# KiCad board main-board-rev1.kicad_pcb (continued)
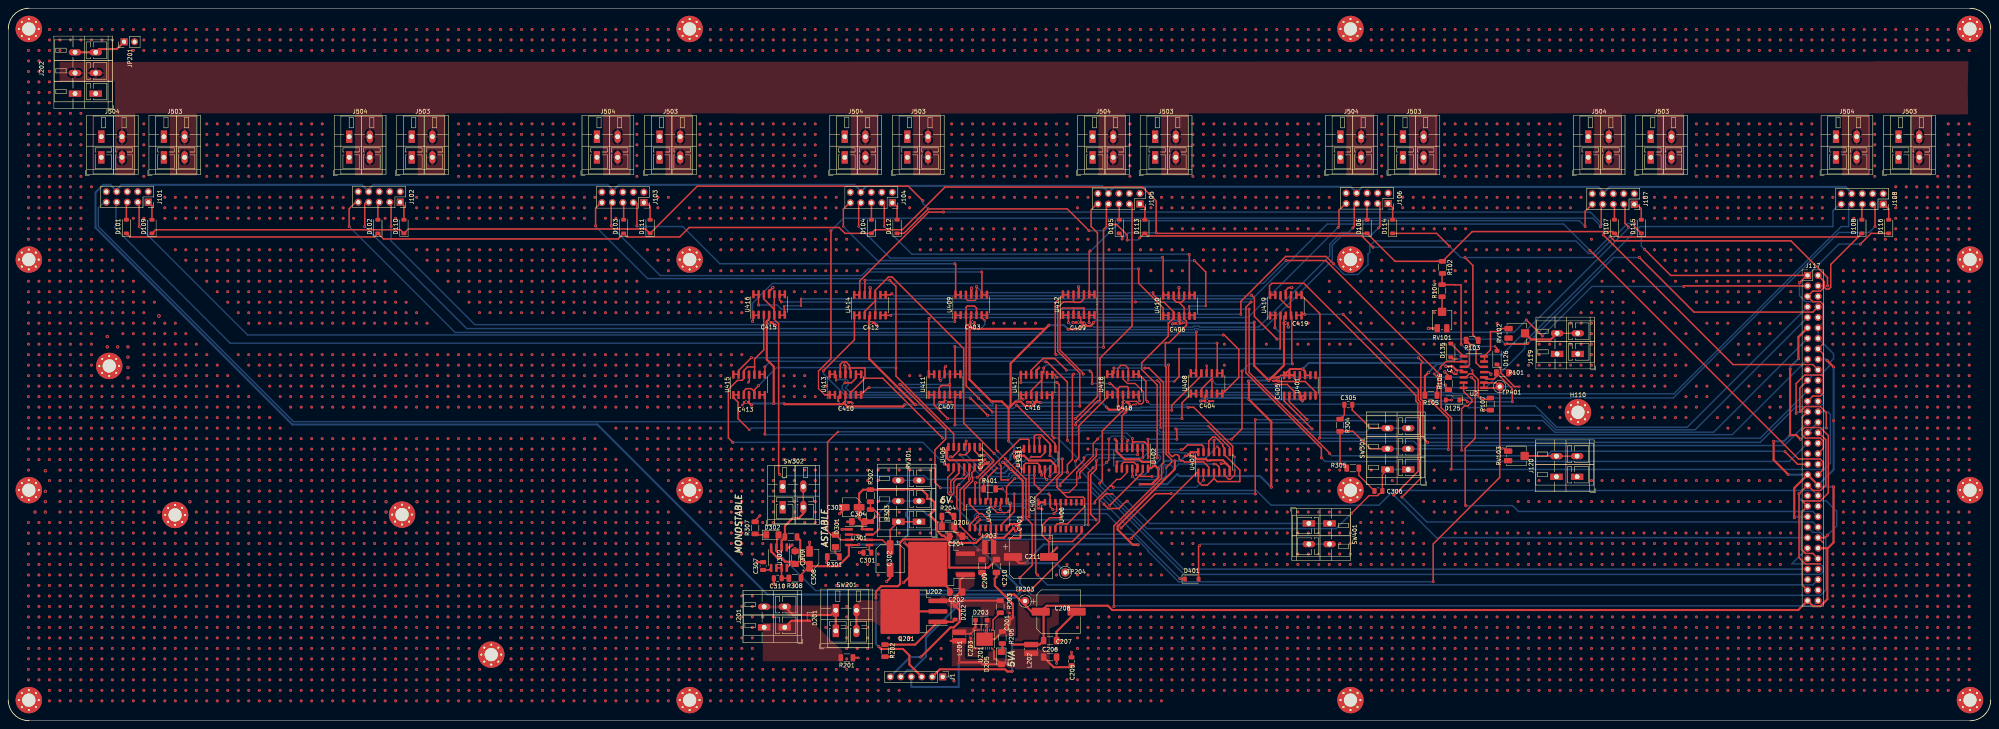
[diagram p0: board, top side]
## Routing (per net, layer and track width the routed paths; a pad name or vN(x,y) marks a point on that pad's centre or on a via; arc(x,y) is an arc through that point) (continued)
*CV_8: length 273.7
  Top w0.349: 206.15,98.18 204.88,98.18 204.88,92.25 v4(197.36,84.73) ; v4(237.14,73.95) 232.99,78.11 v4(232.94,78.11)
  Bottom w0.349: v4(232.94,78.11) 232.94,78.15 232.81,78.28 203.12,78.28 197.36,84.04 v4(197.36,84.73) ; J117.9 408.45,70.46 374.67,70.46 371.17,73.95 v4(237.14,73.95)
*CV_9: length 260.9
  Top w0.349: v4(386.19,117.65) 417.61,86.23 436.93,86.23 J117.20 ; v4(226.44,123.15) 222.84,123.15 206.15,106.46 206.15,103.13 204.88,103.13
  Bottom w0.349: v4(226.44,123.15) 383.04,123.15 386.3,119.9 386.3,117.76 v4(386.19,117.65)
*CV_10: length 275.6
  Top w0.349: 181.98,83.88 183.25,83.88 183.19,83.94 v4(183.19,85.65) ; v4(256.44,67.9) 256.44,81.98 251.51,86.9 v4(251.19,86.9)
  Bottom w0.349: v4(256.44,67.9) 257.21,67.13 317.26,67.13 317.78,67.65 340.34,67.65 341.37,66.63 430.02,66.63 J117.29 ; v4(251.19,86.9) 251.06,87.03 184.56,87.03 v4(183.19,85.65)
*CV_11: length 291.8
  Top w0.349: v4(382.94,113.9) 433.47,63.37 438.73,63.37 439.47,62.63 439.47,60.84 J117.40 ; v3(187.89,100.38) 187.89,98.29 188,98.18 186.73,98.18 ; v3(191.94,100.45) v3(191.94,102.18)
  Bottom w0.349: v3(187.89,100.38) 187.96,100.45 v3(191.94,100.45) ; v3(191.94,102.18) 301.26,102.18 319.33,120.25 376.59,120.25 v4(382.94,113.9)
*CV_12: length 272.7
  Top w0.349: v4(241.44,63.4) 246.41,58.43 246.41,49.08 247.91,47.58 247.91,37.63 v4(244.94,34.65) ; 246.4,78.93 245.13,78.93 245.13,78.44 v3(245.76,77.8) ; v3(239.16,76.33) 239.16,65.68 v3(239.6,65.24)
  Bottom w0.349: v4(244.94,34.65) 244.94,33.31 247.89,30.35 438.73,30.35 440.07,31.7 440.07,44.25 438.73,45.59 436.93,45.59 J117.49 ; v3(245.76,77.8) 244.48,77.8 243,76.33 v3(239.16,76.33) ; v4(241.44,63.4) v3(239.6,65.24)
*CV_13: length 251.9
  Top w0.349: 246.4,83.88 245.13,83.88 245.19,83.82 v4(245.19,81.9) ; v4(249.24,35.25) 249.24,35.35 248.81,35.78 248.81,39.2 248.7,39.31 248.7,54.17 254.44,59.9 254.44,81.4 v4(253.94,81.9)
  Bottom w0.349: v4(253.94,81.9) v4(245.19,81.9) ; J117.60 436.93,32.89 251.6,32.89 v4(249.24,35.25)
*CV_14: length 183.7
  Top w0.349: 272.48,83.88 273.75,83.88 275.44,82.19 275.44,77.65 v4(275.84,77.25)
  Bottom w0.349: J117.7 406.51,71.06 374.91,71.06 369.77,76.2 357.27,76.2 356.9,75.83 353.81,75.83 353.71,75.72 352.78,76.65 285.37,76.65 285.24,76.52 276.57,76.52 v4(275.84,77.25)
*CV_15: length 169.2
  Top w0.349: v4(313.94,98.4) 313.22,98.4 313,98.18 311.73,98.18 ; v4(337.44,54.15) 341.97,58.68 341.97,68.25 341.91,68.31 341.91,77.15 341.41,77.65 341.41,80.18 v4(323.19,98.4)
  Bottom w0.349: v4(337.44,54.15) 343.46,48.13 436.93,48.13 J117.50 ; v4(323.19,98.4) v4(313.94,98.4)
*GATE_8: length 256.7
  Top w0.349: v4(440.49,105.28) 440.49,107.33 431.62,116.2 388.89,116.2 v4(387.85,117.25) ; 211.94,98.18 212.5,98.18 ; 211.94,98.18 211.23,98.18 ; 211.94,98.18 213.66,98.18 v4(213.69,98.15) ; v4(298.44,98.4) 298.44,101.55 309.29,112.4 319.1,112.4 v4(320.9,110.61)
  Bottom w0.349: v4(320.9,110.61) 323.47,108.04 326.78,108.04 329.21,110.47 329.21,112.97 329.66,113.43 329.66,114.98 330.84,116.15 379.59,116.15 382.62,113.13 383.98,113.13 383.98,113.38 v4(387.85,117.25) ; v4(213.69,98.15) 213.94,98.4 v4(298.44,98.4) ; v4(440.49,105.28) J117.4
*GATE_9: length 280.3
  Top w0.349: 176.69,75.8 176.69,74.63 ; 176.69,74.63 176.69,73.15 v3(179.44,70.4) ; 176.69,74.63 176.69,74.63 176.69,77.15 175.63,78.21 175.63,78.93 176.9,78.93
  Bottom w0.349: v3(179.44,70.4) 179.89,70.86 258.76,70.86 259.42,71.53 278.66,71.53 279.26,72.13 314.76,72.13 315.28,72.65 371.62,72.65 374.42,69.86 412.93,69.86 J117.13
*GATE_10: length 293.2
  Top w0.349: v4(179.94,87.9) 176.9,84.86 176.9,83.88 175.63,83.88 ; v4(343.66,67.4) 342.51,68.55 342.51,77.4 342.01,77.9 342.01,86.31 342.51,86.81 v4(341.44,87.88)
  Bottom w0.349: v4(179.94,87.9) 179.96,87.88 v4(341.44,87.88) ; J117.24 439.47,78.61 439.47,76.82 438.73,76.07 432.86,76.07 424.19,67.4 343.66,67.4 v4(343.66,67.4)
*GATE_11: length 282.7
  Top w0.349: 188,103.13 186.73,103.13 186.73,101.86 v4(187.19,101.4) ; v4(317.94,63.65) 317.94,65.96 299.66,84.24 299.66,100.13 v4(300.94,101.4)
  Bottom w0.349: v4(300.94,101.4) v4(272.94,101.4) v4(187.19,101.4) ; J117.33 431.27,62.79 318.8,62.79 v4(317.94,63.65)
*GATE_12: length 205.8
  Top w0.349: v4(253.19,68.49) 252.75,68.93 252.75,78.93 251.48,78.93
  Bottom w0.349: J117.44 436.93,55.75 335.44,55.75 331.89,52.2 305.73,52.2 302.18,55.76 266.75,55.76 265.02,57.49 265.02,57.81 264.56,58.27 264.24,58.27 254.02,68.49 v4(253.19,68.49)
*GATE_13: length 228.3
  Top w0.349: v4(258.39,62.86) 259.21,63.68 259.21,71.43 266.13,78.34 266.13,78.93 267.4,78.93
  Bottom w0.349: v4(258.39,62.86) 258.39,61.73 284.69,35.43 438.73,35.43 439.47,36.18 439.47,37.23 438.73,37.97 431.85,37.97 J117.53
*GATE_14: length 246.6
  Top w0.349: 266.13,83.88 267.4,83.88 267.69,84.17 v4(267.69,85.38) ; v4(275.19,85.38) 276.2,85.38 279.69,81.89 279.69,62.38 279.24,61.93 279.24,58.7 267.69,47.15 v4(267.69,27.65)
  Bottom w0.349: v4(275.19,85.38) v4(267.69,85.38) ; J117.64 436.93,27.81 267.85,27.81 v4(267.69,27.65)
*GATE_15: length 160.9
  Top w0.349: v4(317.44,68.4) 317.58,68.54 317.58,98.55 313,103.13 311.73,103.13
  Bottom w0.349: v4(317.44,68.4) 424.18,68.4 J117.23
*RELAYS_8: length 249.6
  Top w0.349: v4(307.19,92.4) 301.71,97.88 301.71,102.38 v4(301.04,103.05) ; J117.8 436.93,98.93 408.16,98.93 v4(394.94,112.15) ; 211.23,103.13 213.66,103.13 v4(213.94,103.4) ; v4(362.44,91.15) 367.69,91.15 v4(367.94,91.4)
  Bottom w0.349: v4(301.04,103.05) 300.87,102.88 214.46,102.88 v4(213.94,103.4) ; v4(362.44,91.15) 361.19,92.4 v4(307.19,92.4) ; v4(394.94,112.15) 388.69,112.15 v4(367.94,91.4)
*RELAYS_9: length 271.7
  Top w0.349: v4(183.19,69.4) 183.25,69.46 183.25,78.93 181.98,78.93
  Bottom w0.349: v4(183.19,69.4) 183.33,69.26 258.84,69.26 259.8,70.23 277.81,70.23 278.77,69.26 417.42,69.26 J117.17
*RELAYS_10: length 321.1
  Top w0.349: v4(349.31,60.88) 349.46,61.03 349.46,73.29 346.94,75.81 346.94,83.48 318.99,111.43 v4(309.41,111.43) ; 181.65,98.18 180.38,98.18 180.38,96.87 v4(180.19,96.68)
  Bottom w0.349: v4(349.31,60.88) 349.36,60.83 439.62,60.83 441.19,62.4 441.19,74.15 440.54,74.8 J117.28 ; v4(180.19,96.68) 180.19,101.1 184.97,105.88 303.16,105.88 303.19,105.9 303.89,105.9 v4(309.41,111.43)
*RELAYS_11: length 283.7
  Top w0.349: v4(181.69,100.65) 181.65,100.69 181.65,103.13 180.38,103.13 ; v4(430.19,65.15) 433.24,62.1 J117.37 ; v4(319.94,64.65) 319.94,64.81 300.44,84.31 v4(300.44,99.65)
  Bottom w0.349: v4(181.69,100.65) 186.19,100.65 187.21,99.63 300.41,99.63 v4(300.44,99.65) ; v4(319.94,64.65) 320.44,64.15 372.54,64.15 373.63,65.24 430.1,65.24 v4(430.19,65.15)
*RELAYS_12: length 222
  Top w0.349: v4(352.91,52.08) 352.76,52.23 352.76,65.98 355.19,68.41 355.19,82.24 v4(354.28,83.15) ; 251.48,83.88 253.21,83.88 v4(253.94,83.15)
  Bottom w0.349: v4(352.91,52.08) 364.24,52.08 365.64,50.67 436.93,50.67 J117.48 ; v4(253.94,83.15) v4(354.28,83.15)
*RELAYS_13: length 208.2
  Top w0.3: v3(273.99,77.46) 273.75,77.7 273.75,78.93 272.48,78.93 ; v3(272.97,76.57) 272.31,76.57 271.26,75.53
  Top w0.349: 271.26,75.53 270.27,75.53 264.88,70.14 264.88,58.13 v4(264.25,57.5)
  Bottom w0.3: v3(272.97,76.57) 273.85,77.46 v3(273.99,77.46)
  Bottom w0.349: J117.57 284.51,36.7 264.25,56.97 v4(264.25,57.5)
*RELAYS_14: length 141.6
  Top w0.349: v4(306.69,95.15) 306.69,98.14 306.65,98.18 305.38,98.18 ; v4(371.44,93.15) v4(367.56,97.03) ; v4(405.69,105.15) 405.82,105.28 J117.3
  Bottom w0.349: v4(405.69,105.15) 383.44,105.15 v4(371.44,93.15) ; v4(367.56,97.03) 364.58,94.05 307.79,94.05 v4(306.69,95.15)
*RELAYS_15: length 181.8
  Top w0.349: 306.65,103.13 305.38,103.13 305.38,105.34 305.94,105.9 313.69,105.9 340.81,78.78 340.81,77.4 341.31,76.9 341.31,68.06 341.37,68 341.37,60.4 335.62,54.65 v4(335.44,54.65)
  Bottom w0.349: v4(335.44,54.65) 345.77,44.32 J117.51
/CascadeCounters-CommonOutputs/EIGHT: length 27.6
  Top w0.349: v4(247.19,49.4) 247.15,49.44 247.15,60.93 ; U404.9 232.82,47.53 v4(234.69,49.4)
  Bottom w0.349: v4(234.69,49.4) v4(247.19,49.4)
/CascadeCounters-CommonOutputs/FIVE: length 62.1
  Top w0.349: v4(251.44,58.43) 250.96,58.91 250.96,60.93 ; v4(263.44,65.65) 263.44,64.07 259.44,60.07 v4(259.44,58.9) ; v4(243.69,58.65) 241.71,56.67 U404.1 ; v4(284.03,65.65) 284.4,65.65 285.53,66.78 288.97,66.78 289.4,66.35 289.4,64.4
  Bottom w0.349: v4(259.44,58.9) 258.91,58.38 251.49,58.38 v4(251.44,58.43) 251.21,58.65 v4(243.69,58.65) ; v4(284.03,65.65) v4(263.44,65.65)
/CascadeCounters-CommonOutputs/FOUR: length 82.2
  Top w0.3: v3(292.74,66.38) 293.21,65.91 293.21,65.38
  Top w0.349: 274.73,66.13 274.73,63.69 v4(274.69,63.65) ; v4(263.44,62.98) 263.44,60.93 262.08,59.57 262.08,49.99 v4(263.44,48.63) ; v4(235.25,48.63) 234.09,47.47 U404.10
  Bottom w0.349: 263.19,48.63 263.69,48.63 ; 263.19,48.63 v4(263.44,48.63) ; 263.19,48.63 v4(235.25,48.63) ; v4(263.44,62.98) 264.12,63.65 v4(274.69,63.65) 276.06,65.03 283.56,65.03 283.71,64.88 285.31,64.88 286.64,63.55 289.9,63.55 v3(292.74,66.38)
/CascadeCounters-CommonOutputs/NINE: length 29
  Top w0.349: 230.17,66.38 230.17,65.4 228.67,63.9 v4(228.19,63.9) ; U404.11 235.19,46.48 v4(235.19,45.15) ; v4(230.19,57.18) 229.66,56.65 v4(229.66,51.4)
  Bottom w0.349: v4(235.19,45.15) 235.19,45.88 v4(229.66,51.4) ; v4(230.19,57.18) 232.21,59.2 232.21,59.98 228.28,63.9 v4(228.19,63.9)
/CascadeCounters-CommonOutputs/ONE: length 91.9
  Top w0.3: v4(271.08,67.9) 270.88,67.7 U402.5 ; v4(262.67,61.25) 261.48,60.06 v4(261.48,47.43) ; v4(265.88,62.53) 266.48,63.13 v4(266.48,68.23)
  Top w0.349: v4(231.44,51.15) 231.44,56 233.5,58.06 233.5,58.95 233.3,59.15 233.3,60.05 233.98,60.73 233.98,61.43 ; U404.2 240.19,52.9 v4(240.19,51.15)
  Bottom w0.3: v4(262.67,61.25) 263.33,61.91 265.26,61.91 v4(265.88,62.53) ; v4(271.08,67.9) 270.08,68.9 267.15,68.9 v4(266.48,68.23) ; v4(261.48,47.43) 235.4,47.43 233.94,48.89 233.94,49.71 234.38,50.15 235,50.15 235.17,49.97 241.37,49.97 v4(240.19,51.15)
  Bottom w0.349: v4(231.44,51.15) v4(240.19,51.15)
/CascadeCounters-CommonOutputs/RESET_COUNTERS: length 66
  Top w0.349: v4(240.69,56.15) 239.11,56.15 R401.1 ; v4(251.94,54.9) 252.26,54.58 U406.15 252.26,51.83 v4(252.94,51.15) ; D401.1 284.8,34.4 v4(283.69,34.4) ; v4(243.59,54.9) 243.59,50.6 240.44,47.45 U404.15
  Bottom w0.349: v4(240.69,56.15) 241.94,54.9 v4(243.59,54.9) v4(251.94,54.9) ; v4(252.94,51.15) 266.94,51.15 v4(283.69,34.4)
/CascadeCounters-CommonOutputs/SEVEN: length 23.5
  Top w0.349: 247.15,65.88 247.15,67.94 246.94,68.15 244.94,68.15 235.18,58.4 235.18,53.33 U404.6
/CascadeCounters-CommonOutputs/SIX: length 32.2
  Top w0.349: 250.96,65.88 250.96,64.9 249.96,63.9 v3(247.69,63.9) ; v3(239.39,61.15) 237.16,58.92 237.16,53.68 U404.5 ; U405.2 233.99,65.33 235.06,64.26 v4(236.27,64.26) ; 233.98,65.86 233.98,66.38
  Bottom w0.3: 245.98,62.83 244.08,62.83 243.15,61.9 241.59,61.9 240.74,61.05
  Bottom w0.349: 245.98,62.83 246.58,63.43 247.21,63.43 v3(247.69,63.9) ; 240.74,61.05 239.49,61.05 v3(239.39,61.15) 238.16,62.38 238.16,62.83 236.73,64.26 v4(236.27,64.26)
/CascadeCounters-CommonOutputs/TENS: length 148.8
  Top w0.3: U405.9 228.91,60.38 227.44,58.91 227.44,55.1 227.88,54.66 228.5,54.66 228.93,55.1 228.93,57.88 229.69,58.63 231.47,58.63 232.72,59.88 U405.12
  Top w0.349: 230.44,47.15 230.44,55.85 232.71,58.12 232.71,58.43 ; 230.44,47.15 233.69,43.9 v4(233.94,43.9) ; 230.44,47.15 230.44,46.9 ; U407.9 294.48,66 294.06,66.42 294.06,66.87 292.26,68.67 291.62,68.67 290.67,67.72 U407.12 ; 232.71,61.43 232.71,58.43 ; 291.94,58.65 290.31,57.03 288.98,57.03 288.13,57.88 288.13,60.43 271.94,44.24 v4(271.94,44.15) ; 291.94,58.65 291.94,60.43 ; 291.94,58.65 292.69,57.9 298.19,57.9 298.19,60.69 294.48,64.4 294.48,65.38 ; 232.71,58.43 232.71,58.61 v4(232.73,58.63) ; 234.69,58.9 238.56,62.78 238.56,63.06 235.25,66.38 235.25,65.86 ; U406.2 252.19,46.33 v4(252.19,44.15)
  Bottom w0.349: v4(233.94,43.9) 251.94,43.9 v4(252.19,44.15) v4(271.94,44.15) ; 232.71,58.65 232.96,58.9 234.38,58.9 ; v4(234.64,58.95) 234.6,58.9 234.38,58.9 ; 234.38,58.9 234.69,58.9
/CascadeCounters-CommonOutputs/THREE: length 75.2
  Top w0.349: 273.94,59.4 274.73,60.19 274.73,61.18 ; 273.94,59.4 274.19,59.15 v4(276.94,59.15) ; 273.94,59.4 v4(266.69,52.15) ; v4(291.94,62.15) 292.46,62.15 293.21,61.4 293.21,60.43 ; v4(234.19,57.65) 234.09,57.55 U404.7
  Bottom w0.349: v4(234.19,57.65) 261.19,57.65 v4(266.69,52.15) ; v4(276.94,59.15) 278.74,59.15 279.69,60.1 279.69,61.54 280.1,61.95 281.41,61.95 282.31,61.05 283.41,62.15 v4(291.94,62.15)
/CascadeCounters-CommonOutputs/TWO: length 66.4
  Top w0.3: U407.2 289.38,60.06 v4(289.38,58.23) ; U404.4 237.9,51.91 239.4,50.41 241.96,50.41 v4(242.28,50.73) 242.68,51.13 v4(242.68,52.7) ; 266.78,56.83 267.28,56.83 v4(267.58,56.53) ; 266.78,56.83 268.38,58.43 269.23,58.43 270.88,60.08 U402.10 ; 266.78,56.83 263.08,53.13 v4(263.08,52.73)
  Bottom w0.3: v4(242.68,52.7) 242.88,52.5 262.85,52.5 v4(263.08,52.73) ; v4(267.58,56.53) 287.68,56.53 v4(289.38,58.23)
/CascadeCounters-CommonOutputs/ZERO: length 130.4
  Top w0.3: v4(253.18,50.15) 253.83,50.81 253.83,52.6 U406.14
  Top w0.349: 253.44,53 U406.14 ; v4(301.94,54.9) v4(301.94,72.9) ; v4(314.49,72.95) 310.15,77.29 310.15,78.68 ; v4(238.94,51.93) 238.94,52.92 U404.3 ; v4(228.19,55.4) 228.19,57.94 230.17,59.92 230.17,61.43 ; v4(281.58,54.98) 277.76,54.98 v4(269.44,46.65)
  Bottom w0.349: v4(301.94,72.9) 314.44,72.9 v4(314.49,72.95) ; v4(301.94,54.9) 301.86,54.98 v4(281.58,54.98) ; v4(269.44,46.65) 265.94,50.15 v4(253.18,50.15) 247.53,50.15 245.76,51.93 238.94,51.93 v4(238.94,51.93) 231.66,51.93 v4(228.19,55.4)
/CascadeCounters-CommonOutputs/ZEROES: length 193.4
  Top w0.3: v4(272.18,68.33) 272.18,66.03 U402.4 ; v4(263.78,68.23) 262.69,67.14 262.69,64.13 258.69,60.13 258.69,58.6 258.68,58.58 258.68,57.03 256.91,55.26 255.21,55.26
  Top w0.349: U406.3 253.53,47.2 253.98,47.65 256.44,47.65 260.61,51.82 260.61,53.79 260.27,54.13 256.34,54.13 253.91,56.56 253.91,58.53 255.21,59.83 v4(255.21,63.4) ; v4(231.94,67.71) 231.94,66.88 231.44,66.38 ; 248.42,65.88 248.42,68.86 248.81,69.26 250.01,69.26 252.23,67.04 v4(252.23,64.19) ; 276,64.15 276,68.09 v4(275.94,68.15) ; 276,64.15 276,66.65 275.12,67.53 272.61,67.53 272.19,67.1 272.19,66.13 ; 276,64.15 276,63.71 275.94,63.65 v3(275.94,63.58) ; v4(250.18,59.46) 250.18,60.43 249.69,60.93 249.69,61.9 249.26,62.33 246.3,62.33 245.88,61.9 245.88,60.93 245.41,60.93 v4(244.44,61.9) ; v4(282.69,70.65) 282.94,70.4 v4(282.94,68.15) ; 273.46,61.18 273.46,62.15 ; 273.46,61.18 273.07,60.79 v3(273.07,59.52) ; 273.46,61.18 273.46,61.7 272.58,62.58 270.07,62.58 269.65,62.15 269.65,61.18 ; v4(315.69,70.65) 308.88,77.46 308.88,78.68
  Bottom w0.3: v4(272.18,68.33) 270.85,69.66 265.21,69.66 v4(263.78,68.23)
  Bottom w0.349: v4(252.23,64.19) 252.4,64.19 253.66,62.93 ; 253.66,62.93 v4(250.18,59.46) ; 253.66,62.93 254.13,63.4 v4(255.21,63.4) ; v3(273.07,59.52) 275.15,59.52 278.96,63.33 278.96,63.98 278.51,64.43 276.79,64.43 v3(275.94,63.58) ; v4(244.44,61.9) 244.44,60.55 243.91,60.03 243.41,60.03 243.34,60.1 242.7,60.1 242.24,59.65 242.24,59.13 237.21,59.13 231.94,64.4 v4(231.94,67.71) ; v4(275.94,68.15) v4(282.94,68.15) ; v4(315.69,70.65) v4(282.69,70.65)
/CV_OP-AMP_NON-INV: length 31.4
  Top w0.349: R102.2 347.16,108.2 R104.2 350.19,105.58 350.24,105.53 351.78,105.53 v4(351.78,91.13) ; U2.5 356.35,85.69 355.38,86.66 v3(355.38,89.73)
  Bottom w0.349: v4(351.78,91.13) 353.18,89.73 v3(355.38,89.73)
/CV_OP-AMP_OUT: length 12.6
  Top w0.349: RV102.3 361.51,94.95 360.78,94.23 358.88,94.23 358.88,89.78 U2.7 ; 357.43,88.18 357.43,86.91
/Power Supply/LDO_LED_K: length 2.5
  Top w0.5: D204.1 226.06,46.99 R204.2
/Power Supply/POL-FET-D: length 14.1
  Top w0.5: SW201.2 SW201.2 ; Q201.2 Q201.2
/Power Supply/POL-FET-G: length 19.5
  Top w0.5: R202.1 219.58,18.43 Q201.1 228.7,23.94 D202.2
/Power Supply/PowerIn+: length 18.7
  Top w0.5: J201.2 190.03,25.59 D201.1 199.2,25.59 SW201.1 SW201.1
/Power Supply/PowerIn-: length 6.7
  Top w0.5: D201.2 189.6,24.19 J201.1
/Power Supply/SW-REG_CB: length 3.8
  Top w0.349: C203.1 233.01,18.19 233.68,17.53 233.7,17.55 U201.1
/Power Supply/SW-REG_LED_K: length 2.2
  Top w0.5: R205.2 240.69,16.89 D205.1
/Power Supply/SW-REG_ON: length 5.2
  Top w0.349: R203.1 238.44,24.4 238.44,21.95 238.14,21.95
/Power Supply/SW_REG_L: length 7.9
  Top w0.3: 235.04,21.95 233.92,21.95 C203.2
  Top w0.349: C203.2 230.65,21.05 L201.1
  Top w0.5: 233.58,22.03 234.19,22.64 D203.1
/Power Supply/Unfiltered-6V: length 64
  Top w0.349: v4(232.08,44.33) 231.75,44.65 230.41,44.65
  Top w0.5: 230.41,44.65 229.05,46.02 D204.2
  Bottom w0.349: v4(232.08,44.33) 234.78,41.63 v4(234.78,41.33)
  Bottom w0.5: J1.5 217.7,12.23 218.87,12.23 222.18,15.53 222.18,20.13 231.83,29.78 243.71,29.78 245.13,31.21 245.13,31.85 235.65,41.33 v4(234.78,41.33)
/Timers/555-R-POT: length 13.8
  Top w0.349: R303.1 208.76,48.23 v4(209.94,49.4)
  Bottom w0.3: RV301.2 RV301.2
  Bottom w0.349: RV301.2 213.73,53.19 v4(209.94,49.4)
/Timers/555_2-6: length 23.8
  Top w0.349: U301.2 206.02,45.08 206.19,44.9 206.19,44.15 206.54,43.81 U301.6 211.65,43.81 C302.1 213.51,46.19 RV301.1 RV301.1
/Timers/555_5: length 2
  Top w0.349: U301.5 208.49,41.17 C301.2
/Timers/555_DIS: length 10.9
  Top w0.349: U301.7 209.46,45.08 210.94,46.55 210.94,49.82 209.64,51.12 R303.2 R302.1
/Timers/555_LED-K: length 2.7
  Top w0.349: R301.2 200.26,40.65 200.26,42.04
/Timers/555M_5: length 2.1
  Top w0.349: U302.5 184.2,36.5 C307.2
/Timers/555M_DIS: length 5.5
  Top w0.349: R308.1 C310.1 187.24,34.52 U302.7 U302.6
/Timers/555M_LED-K: length 3.2
  Top w0.3: 181.11,45 180.85,45.27
  Top w0.349: D302.1 181.06,45 R307.2
/Timers/ASTABLE_CLOCK_SWITCH: length 182.8
  Top w0.3: 329.76,70.9 329.83,70.83 SW301.3
  Top w0.349: U301.3 201.51,43.81 D301.2 199.21,45.04 198.38,45.87 198.38,67.5 200.84,69.96 v3(200.94,69.96) ; C305.2 325.41,75.25 329.76,70.9
  Bottom w0.3: 328.73,69.88 329.69,70.83
  Bottom w0.349: v3(200.94,69.96) 258.69,69.96 259.66,70.93 277.95,70.93 279,69.88 328.73,69.88 ; SW301.3 SW301.3 329.83,70.83 v4(329.24,71.43)
/Timers/MONOSTABLE_CLOCK_SWITCH: length 185.5
  Top w0.3: SW301.1 332.7,59.57 C306.2 331.57,54.5 329.49,54.5 v4(325.24,50.25)
  Top w0.349: v3(267.29,54.93) 265.74,54.93 264.21,53.4 264.21,48.25 247.49,31.53 v3(244.36,31.53) ; 186.09,45 186.09,42.07 U302.3 185.97,40.99 186.54,40.43 v4(186.58,40.43) 186.58,40.39 186.56,40.4
  Bottom w0.349: 186.56,40.4 195.44,31.53 v3(244.36,31.53) ; SW301.1 SW301.1 ; v3(267.29,54.93) 275.7,46.52 321.51,46.52 v4(325.24,50.25)
CHAN_0: length 31.7
  Top w0.349: v4(306.94,81.43) 309.66,81.43 311.42,79.67 311.42,78.68 ; 291.46,82.65 291.46,79.18 ; 291.46,82.65 291.46,84.13 ; 291.46,82.65 291.21,82.65 288.92,80.36 288.92,79.18
  Bottom w0.349: v4(306.94,81.43) 292.41,81.43 v4(291.46,82.38)
CHAN_1: length 99.8
  Top w0.349: v4(270.59,74.76) 269.65,73.82 269.65,66.13 269.65,68.11 v4(269.69,68.15) ; v4(281.71,75.15) 281.71,76.37 288.87,83.52 U408.12 ; 288.92,84.13 288.92,83.51 ; v4(238.29,74.76) v4(234.94,78.11) 231.92,81.13 231.92,100.13 232.19,100.4 233.94,100.4 234.46,99.88 234.46,98.18
  Bottom w0.349: v4(238.29,74.76) v4(270.59,74.76) 270.99,75.15 v4(281.71,75.15)
CHAN_2: length 109.7
  Top w0.3: 231.92,103.13 231.92,102.15 232.32,101.75 234.06,101.75 234.46,102.15 234.46,103.13
  Top w0.349: 234.46,103.13 234.44,103.15 v4(234.44,105.11) ; v4(268.44,62.65) 268.44,61.24 268.38,61.18 ; v4(278.19,63.65) 278.19,81.29 274.41,85.06 274.41,86.65 280.86,93.1 280.86,96.36 281.04,96.36 282.18,97.49 U410.3 282.18,98.98 279.82,101.34 279.09,101.34 277.19,103.24 v4(277.19,103.65) 277.21,103.65 ; 282.17,98.18 282.17,98.7
  Bottom w0.349: v4(268.44,62.65) 268.66,62.88 277.41,62.88 v4(278.19,63.65) ; v4(277.19,103.65) 235.89,103.65 v4(234.44,105.11)
CHAN_3: length 63.9
  Top w0.349: U410.10 284.72,101.98 284.06,101.32 283.46,101.32 ; 284.71,97.66 284.71,100.07 283.46,101.32 ; 283.46,101.32 282.83,101.32 282.18,101.98 U410.12 ; 272.19,61.18 v4(272.19,59.15) ; 284.71,102.57 284.71,103.13 ; 282.17,102.61 282.17,103.13 ; U410.5 284.72,97.28 285.28,96.72 285.28,95.74 281.09,91.56 280.16,91.56 280.16,85.83 280.34,85.66 280.34,64.53 281.69,63.18 281.69,62.6 280.34,61.25
  Bottom w0.349: v3(280.39,61.25) 280.39,59.45 279.31,58.38 272.96,58.38 v4(272.19,59.15)
CHAN_4: length 106.8
  Top w0.349: v4(273.44,64.43) 273.46,64.45 273.46,66.13 ; v4(225.69,56.4) 224.38,57.71 224.38,65.58 226.96,68.16 226.96,70.57 216.11,81.43 v4(215.86,81.43) ; 225.42,78.93 225.42,80.63 225.94,81.15 227.94,81.15 ; 227.94,81.15 227.96,81.17 227.96,83.88 ; 227.94,81.15 227.96,81.13 227.96,78.93 ; v4(254.69,56.88) 254.69,57.31 260.44,63.06 v4(260.44,63.65)
  Bottom w0.349: 254.19,56.93 236.46,56.93 235.94,56.4 v4(225.69,56.4) ; 254.19,56.93 254.66,56.93 254.69,56.9 ; 254.19,56.93 254.64,56.93 v4(254.69,56.88) ; v4(215.86,81.43) v4(227.94,81.43) ; v4(260.44,63.65) 261.21,64.43 v4(273.44,64.43)
CHAN_5: length 94.8
  Top w0.3: 257.94,99.9 255.27,99.9 254.67,99.31 254.67,89.72 260.28,84.12 v4(260.28,83.92)
  Top w0.349: 260.46,98.18 260.46,99.88 260.44,99.9 257.94,99.9 257.94,99.17 257.92,99.15 257.92,98.18 ; 225.42,83.88 225.42,82.67 v4(225.69,82.4) ; 252.23,60.93 252.19,60.89 v4(252.19,59.15) ; v4(256.44,60.15) 256.44,62.03 257.66,63.26 257.66,83.65 v4(257.94,83.93)
  Bottom w0.3: v4(257.94,83.93) 257.94,83.92 v4(260.28,83.92)
  Bottom w0.349: v4(252.19,59.15) 253.19,60.15 v4(256.44,60.15) ; v4(225.69,82.4) 227.21,83.93 v4(257.94,83.93)
CHAN_6: length 114
  Top w0.349: 201.42,78.93 200.94,78.45 v3(200.94,77.4) ; 253.5,65.88 253.5,67.08 v4(244.17,76.4) 243.94,76.4 ; 257.92,101.42 255.46,101.42 254.1,100.07 254.1,89.49 259.44,84.15 v4(259.44,76.15) ; 257.92,101.42 258.03,101.31 259.61,101.31 260.46,102.15 260.46,104.1 ; 257.92,101.42 257.92,103.13
  Bottom w0.349: v4(259.44,76.15) 244.42,76.15 v4(244.17,76.4) 243.4,75.63 201.21,75.63 201.19,75.65 201.19,77.15 v3(200.94,77.4)
CHAN_7: length 70.2
  Top w0.349: U413.12 201.43,86.26 202.08,86.91 202.83,86.91 203.67,86.06 203.67,85.14 ; 203.67,85.14 203.94,85.4 207.44,85.4 207.44,82.93 ; 203.67,85.14 203.96,84.85 203.96,83.88 ; 207.44,82.93 203.96,79.45 203.96,78.93 ; 207.44,82.93 211.75,82.93 v4(226.19,68.49) ; v4(249.69,68.49) 249.69,65.88